# Altium PCB Fri3d_2024_Blaster_01.PcbDoc (continued)
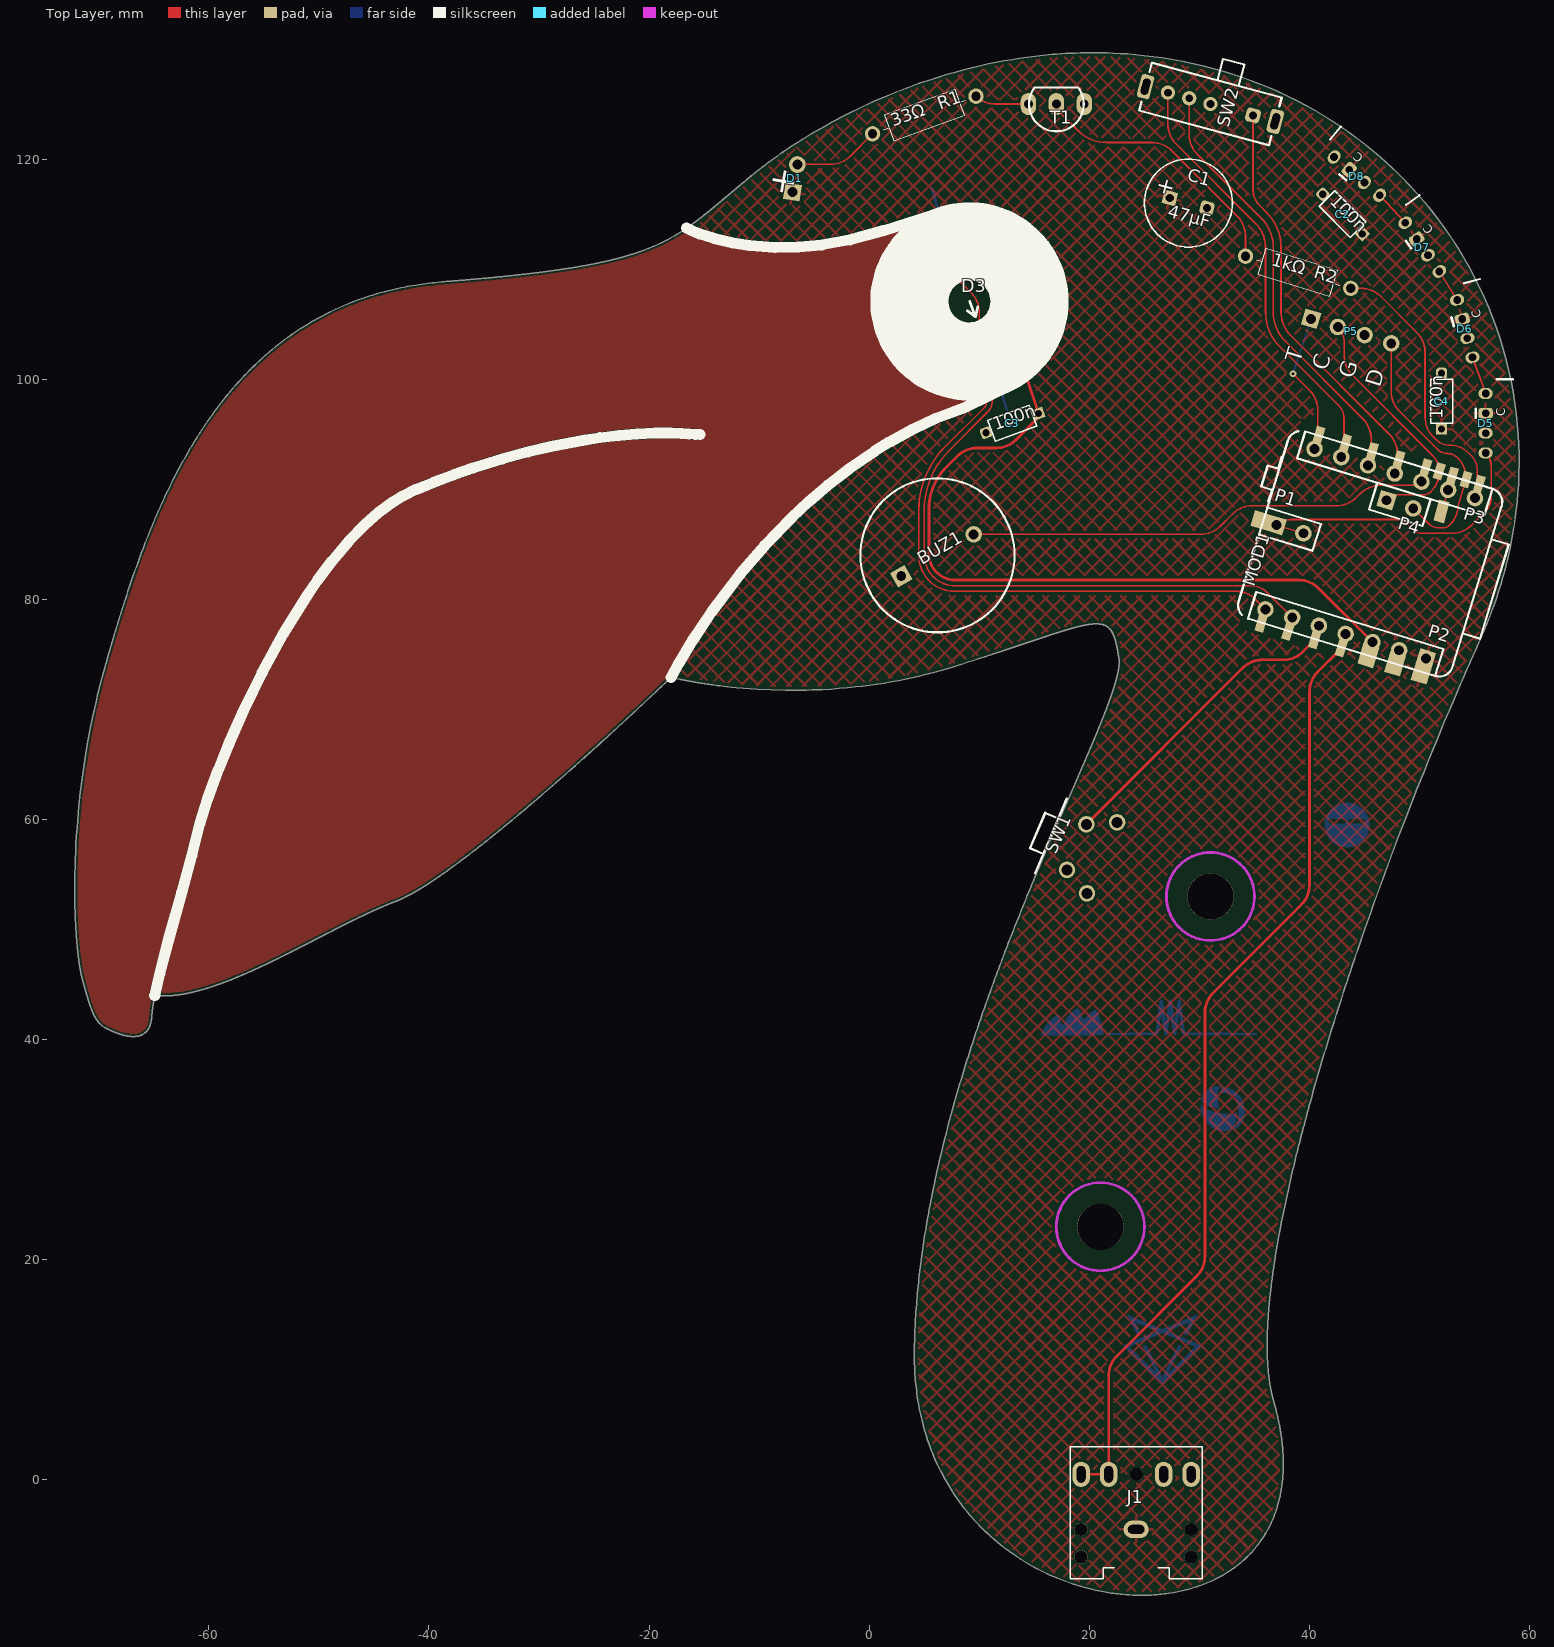
[diagram p0: Top Layer view]
## Via types (continued)

## Nets (pads, with @x,y where several pads share a name; then routed paths per layer and width w, separated by ;. In a path a pad name is that pad's centre, name@x,y a point inside that pad or via, vN(x,y) a via of type N, cw(c..) or ccw(c..) an arc to the next point about the centre after c; other vN are vias at no path point)
+3V3: C3.1 D3.3 D4.3 MOD1.9 P2.3 | length 81.2
  Top Layer w0.25: D4.3 D3.3 C3.1 cw(c14.602,96.869) 15.157,96.314 13.337,94.494 cw(c11.541,96.29) 11.541,93.75 9.802,93.75 ccw(c9.802,91.21) 8.006,93.006 6.983,91.983 ccw(c10.753,88.212) 5.421,88.212 5.421,84.142 ccw(c7.813,84.142) 7.813,81.75 39.026,81.75 cw(c39.026,79.21) 40.822,81.006 P2.3
BADGE_LINK: J1.3 J1.5 MOD1.8 P2.4 | length 85.8
  Top Layer w0.25: J1.3 J1.5 21.75,9.448 cw(c24.29,9.448) 22.494,11.244 29.756,18.506 ccw(c27.96,20.302) 30.5,20.302 30.5,42.448 cw(c33.04,42.448) 31.244,44.244 39.256,52.256 ccw(c37.46,54.052) 40,54.052 40,71.607 cw(c42.54,71.607) 40.744,73.403 MOD1.8
BLUE_TEAM: MOD1.18 P3.4 SW2.4 | length 36.2
  Top Layer w0.15: SW2.4 34.864,117.188 ccw(c36.8,117.188) 35.431,115.819 36.121,115.129 cw(c33,112.008) 37.414,112.008 37.414,106.112 ccw(c40.495,106.112) 38.317,103.933 47.251,94.999 cw(c45.455,93.203) 47.995,93.203 47.995,93.095 ccw(c48.499,93.095) MOD1.18
BUZZER: BUZ1.2 MOD1.16 P3.3 | length 42.2
  Top Layer w0.15: BUZ1.2 30.098,85.9 ccw(c30.098,88.44) 31.894,86.644 33.006,87.756 cw(c34.802,85.96) 34.802,88.5 42.448,88.5 ccw(c42.448,91.04) 44.244,89.244 44.606,89.606 cw(c46.402,87.81) 46.402,90.35 49.358,90.35 ccw(c49.358,91.5) P3.3
GND: BUZ1.1 C1.2 C2.2 C3.2 C4.2 D3.2 D4.2 D5.3 D6.3 D7.3 D8.3 J1.2 J1.4 MOD1.10 P2.2 P5.3 SW1.2 SW1.MH1 SW1.MH2 SW2.3 T1.1 | length 7.1
  Bottom Layer w0.25: 5.75,117.25 D4.2 ; D3.2 12.5,97.25
GREEN_TEAM: MOD1.20 P3.5 SW2.2 | length 38.4
  Top Layer w0.15: SW2.2 29.068,122.234 ccw(c31.608,122.234) 29.812,120.438 35.621,114.629 cw(c33,112.008) 36.707,112.008 36.707,106.112 ccw(c40.495,106.112) 37.817,103.433 44.85,96.4 cw(c43.054,94.604) 45.594,94.604 45.594,93.771 ccw(c46.003,93.771) MOD1.20
IR.IN1: D4.1 MOD1.4 P2.6 | length 69.7
  Top Layer w0.15: D4.1 9.256,107.844 cw(c7.46,106.048) 10,106.048 10,101.302 ccw(c12.54,101.302) 10.744,99.506 ; 10.707,99.543 cw(c9.555,98.392) 11.184,98.392 11.184,98.072 cw(c9.642,98.072) 10.732,96.982 7.244,93.494 ccw(c12.661,88.077) 5,88.077 5,84.038 ccw(c7.814,84.038) 7.814,81.224 34.676,81.224 cw(c34.676,79.126) 36.159,80.61 P2.6
IR.IN2: D3.1 MOD1.2 P2.7 | length 52.7
  Top Layer w0.15: D3.1 cw(c9.11,97.771) 10.419,99.081 ; 10.42,99.08 cw(c9.782,98.443) 10.684,98.443 10.684,98.072 cw(c9.642,98.072) 10.378,97.335 6.89,93.848 ccw(c12.661,88.077) 4.5,88.077 4.5,83.974 ccw(c7.75,83.974) 7.75,80.724 33.337,80.724 cw(c33.337,78.259) 35.08,80.002 P2.7
IR.OUT: MOD1.12 P3.1 R2.2 | length 24.2
  Top Layer w0.15: R2.2 44.698,108.25 cw(c44.698,105.71) 46.494,107.506 49.756,104.244 cw(c47.96,102.448) 50.5,102.448 50.5,96.552 ccw(c53.04,96.552) 51.244,94.756 51.47,94.53 ccw(c52.75,95.811) 52.75,94 cw(c52.75,91.586) 54.457,93.293 ; 54.457,93.293 54.72,93.03 cw(c53.439,91.75) 55.25,91.75 55.25,90.945 ccw(c55.864,90.945) MOD1.12
LED.DATA: D5.4 MOD1.26 P1.1 P1.2 | length 28.4
  Top Layer w0.15: P1.2 P1.1 cw(c38.241,85.513) 38.241,87.25 47.998,87.25 cw(c47.998,86.038) 48.855,86.895 49.5,86.25 ccw(c50.104,86.854) 50.104,86 52.948,86 ccw(c52.948,88.54) 54.744,86.744 56,88 ccw(c54.793,89.207) 56.5,89.207 56.5,92.093 ccw(c54.793,92.093) D5.4
NetD1_2: D1.2 R1.1 | length 7.9
  Top Layer w0.15: D1.2 -3.52,119.52 ccw(c-3.52,122.06) -1.724,120.264 R1.1
NetD5_1: D5.1 D6.4 | length 3.5
  Top Layer w0.15: D6.4 D5.1
NetD6_1: D6.1 D7.4 | length 3.1
  Top Layer w0.15: D7.4 D6.1
NetD7_1: D7.1 D8.4 | length 3.4
  Top Layer w0.15: D8.4 D7.1
NetR1_2: R1.2 T1.3 | length 5
  Top Layer w0.15: R1.2 ccw(c11.413,127.424) 11.413,125 T1.3
NetR2_1: R2.1 T1.2 | length 24.5
  Top Layer w0.15: T1.2 17,124.551 18.99,122.561 ccw(c21.552,125.123) 21.552,121.5 25.698,121.5 cw(c25.698,118.96) 27.494,120.756 33.443,114.807 cw(c31.647,113.011) 34.187,113.011 R2.1
PA2: MOD1.24 P3.7 P5.1 | length 11.6
  Top Layer w0.15: v1(38.5,100.5) 40.006,98.994 cw(c38.21,97.198) 40.75,97.198 40.75,95.222 ccw(c41.111,95.222) MOD1.24
  Bottom Layer w0.15: v1(38.5,100.5) P5.1
PA6: MOD1.6 P2.5 SW1.1 | length 27.4
  Top Layer w0.25: SW1.1 33.925,73.756 cw(c35.721,71.96) 35.721,74.5 37.617,74.5 ccw(c37.617,77.04) 39.413,75.244 MOD1.6
PB0: MOD1.14 P3.2 pad.2 | length 2
  Top Layer w0.15: pad.2 P3.2
PB6: MOD1.22 P3.6 SW2.1 | length 38
  Top Layer w0.15: SW2.1 27.136,123.166 ccw(c29.676,123.166) 27.88,121.37 35.121,114.129 cw(c33,112.008) 36,112.008 36,106.112 ccw(c40.495,106.112) 37.317,102.933 42.678,97.572 cw(c41.576,96.47) 43.134,96.47 43.134,94.587 ccw(c43.648,94.587) MOD1.22
SWC: MOD1.15 P4.1 P5.2 | length 22.9
  Top Layer w0.15: P5.2 cw(c41.144,103.315) 43.121,103.721 cw(c41.144,103.315) 43.162,103.315 43.162,102.14 ccw(c45.702,102.14) 43.906,100.344 51.193,93.057 cw(c49.762,91.625) MOD1.15 51.786,91.588 cw(c49.246,91.588) 51.042,89.792 cw(c50.337,90.498) 50.337,89.5 48.207,89.5 ccw(c48.207,87.793) P4.1
SWD: MOD1.13 P4.2 P5.4 | length 24
  Top Layer w0.15: P5.4 47.429,98.873 ccw(c49.969,98.873) 48.173,97.077 51.646,93.604 ccw(c52.5,94.457) 52.5,93.25 cw(c52.5,91.878) 53.47,92.848 53.471,92.847 cw(c51.675,91.051) 54.215,91.051 MOD1.13 54.142,90.639 53.471,88.414 cw(c51.195,88.414) 52.805,86.805 52.75,86.75 cw(c52.146,87.354) 52.146,86.5 51.75,86.5 cw(c51.75,87.862) 50.787,86.899 P4.2
VSYS: C1.1 C2.1 C4.1 D1.1 D5.2 D6.2 D7.2 D8.2 J1.1 MOD1.11 P2.1
pads on no net: D8.1 J1.0 SW2.0

## Polygon pours and split planes (outlines as drawn)
GND on Bottom Layer "NONET_L-01_P-001" (hatched 45Degree grid 1 track 0.2, remove dead copper, pour order 4): -25.75,142.25 -25.75,18.5 7.5,-14.75 38,-14.75 69.5,16.75 69.5,114.75 42,142.25 -23.75,142.25
no net on Bottom Layer "NONET_L-01_P-001" (solid, pour order 3): -16.638,113.702 -15.437,113.196 -13.618,112.635 -11.278,112.181 -8.745,111.968 -6.084,112.018 -4.497,112.175 -1.459,112.724 1.318,113.505 5.118,114.995 11.299,98.301 9.878,97.843 7.895,97.175 5.773,96.312 3.194,95.046 1.271,93.942 -0.316,92.922 -2.606,91.273 -4.248,89.953 -5.8,88.594 -7.838,86.636 -9.171,85.241 -10.62,83.613 -11.981,81.971 -13.463,80.049 -15.516,77.106 -16.385,75.743 -17.39,74.049 -17.987,72.899 -18,71 -41,48 -68,36 -73.259,43.889 -76.047,66.884 -62,102 -52,109 -22,114
VSYS on Top Layer "NONET_L-01_P-001" (hatched 45Degree grid 1 track 0.2, remove dead copper, pour order 5): -25.75,142.25 -25.75,18.5 7.5,-14.75 38,-14.75 69.5,16.75 69.5,114.75 42,142.25 -23.75,142.25
no net on Top Layer "NONET_L-01_P-001" (solid, pour order 2): -16.638,113.702 -15.437,113.196 -13.618,112.635 -11.278,112.181 -8.745,111.968 -6.084,112.018 -4.497,112.175 -1.459,112.724 1.318,113.505 5.118,114.995 11.299,98.301 9.878,97.843 7.895,97.175 5.773,96.312 3.194,95.046 1.271,93.942 -0.316,92.922 -2.606,91.273 -4.248,89.953 -5.8,88.594 -7.838,86.636 -9.171,85.241 -10.62,83.613 -11.981,81.971 -13.463,80.049 -15.516,77.106 -16.385,75.743 -17.39,74.049 -17.987,72.899 -18,71 -41,48 -68,36 -73.259,43.889 -76.047,66.884 -62,102 -52,109 -22,114

## Keep-outs
Top Layer:
  circle w0.254: c31,53 r4
  circle w0.254: c21,23 r4
  lines w0.5: -64.913,44 -64.457,46.012 -63.574,49.394 -62.475,53.355 -61.547,56.722 -60.818,59.619 -60.142,61.793 -59.131,64.533 -58.1,67.057 -56.796,69.984 -55.146,73.357 -53.184,76.952 -51.001,80.459 -50.168,81.666 -48.837,83.445 -47.251,85.322 -45.795,86.812 -44.59,87.871 -43.214,88.881 -42.353,89.404 -41.212,89.961 -39.574,90.626 -37.785,91.303 -35.944,91.947 -33.31,92.771 -31.005,93.399 -28.922,93.89 -25.811,94.482 -24.478,94.682 -22.713,94.892 -21.12,95.025 -19.457,95.101 -18.53,95.113 -18.013,95.109 -17.038,95.081 -16.379,95.044 -15.786,94.999 -15.39,94.961
Bottom Layer:
  circle w0.254: c21,23 r4
  circle w0.254: c31,53 r4
  lines w0.5: -64.913,44 -64.457,46.012 -63.574,49.394 -62.475,53.355 -61.547,56.722 -60.818,59.619 -60.142,61.793 -59.131,64.533 -58.1,67.057 -56.796,69.984 -55.146,73.357 -53.184,76.952 -51.001,80.459 -50.168,81.666 -48.837,83.445 -47.251,85.322 -45.795,86.812 -44.59,87.871 -43.214,88.881 -42.353,89.404 -41.212,89.961 -39.574,90.626 -37.785,91.303 -35.944,91.947 -33.31,92.771 -31.005,93.399 -28.922,93.89 -25.811,94.482 -24.478,94.682 -22.713,94.892 -21.12,95.025 -19.457,95.101 -18.53,95.113 -18.013,95.109 -17.038,95.081 -16.379,95.044 -15.786,94.999 -15.39,94.961

## Other copper
Top Layer:
  pour cut-out: 34.068,79.255 33.507,77.397 43.208,74.421 43.758,76.314
  pour cut-out: 38.8,94.6 39.336,96.437 50.526,92.998 50.171,91.1
  pour cut-out: 11.299,98.301 12.395,98.669 13.424,99.17 14.136,99.591 14.828,100.092 15.548,100.74 16.136,101.424 16.757,102.295 17.215,103.122 17.519,103.842 17.786,104.68 17.977,105.474 18.08,106.242 18.11,107.09 18.087,108.075 17.927,108.943 17.72,109.751 17.503,110.352 17.252,110.96 16.855,111.674 16.461,112.296 16.107,112.756 15.616,113.29 15.059,113.851 14.541,114.265 13.87,114.719 13.249,115.09 12.531,115.401 11.736,115.684 10.882,115.895 10.124,116.028 9.276,116.065 8.568,116.052 7.923,116.005 7.152,115.868 6.294,115.631 5.473,115.33 4.541,114.85 4.356,114.511
  pour cut-out: 5.118,114.995 3.594,114.027 2.452,112.965 1.569,111.77 0.819,110.284 0.318,108.672 0.163,106.759 0.469,104.933 0.749,103.96 1.294,102.706 1.945,101.766 2.613,100.958 3.545,100.125 4.559,99.408 5.631,98.872 6.506,98.492 7.825,98.204 8.724,98.129 10.068,98.154 11.299,98.301 12.022,98.707 13,102 10.383,112.324 6.196,115.057
Bottom Layer:
  pour cut-out: 11.299,98.301 12.395,98.669 13.424,99.17 14.136,99.591 14.828,100.092 15.548,100.74 16.136,101.424 16.757,102.295 17.215,103.122 17.519,103.842 17.786,104.68 17.977,105.474 18.08,106.242 18.11,107.09 18.087,108.075 17.927,108.943 17.72,109.751 17.503,110.352 17.252,110.96 16.855,111.674 16.461,112.296 16.107,112.756 15.616,113.29 15.059,113.851 14.541,114.265 13.87,114.719 13.249,115.09 12.531,115.401 11.736,115.684 10.882,115.895 10.124,116.028 9.276,116.065 8.568,116.052 7.923,116.005 7.152,115.868 6.294,115.631 5.473,115.33 4.541,114.85 4.356,114.511
  pour cut-out: 5.118,114.995 3.594,114.027 2.452,112.965 1.569,111.77 0.819,110.284 0.318,108.672 0.163,106.759 0.469,104.933 0.749,103.96 1.294,102.706 1.945,101.766 2.613,100.958 3.545,100.125 4.559,99.408 5.631,98.872 6.506,98.492 7.825,98.204 8.724,98.129 10.068,98.154 11.299,98.301 12.022,98.707 13,102 10.383,112.324 6.196,115.057
  region: 29.806,14.966 28.888,13.118 28.585,13.245 28.571,13.284 29.091,14.323 27.091,13.5 30.152,12.24 30.16,12.199 26.622,8.661 23.084,12.199 23.092,12.24 26.153,13.5 24.153,14.323 24.662,13.284 24.647,13.245 24.344,13.118 23.426,14.966 23.454,14.996 26.616,13.692 29.778,14.996 hole: 26.622,13.303 23.69,12.098 26.037,9.757 24.839,12.152 24.853,12.191 25.156,12.318 26.622,9.38 28.088,12.318 28.391,12.191 28.405,12.152 27.207,9.751 29.554,12.098
  region: 395 vertices and 2 holes, not listed, extent 41.406,57.466 45.436,61.497
  region: 21.674,40.414 21.674,40.579 22.569,40.591 22.569,40.592 23.002,40.596 23.578,40.6 24.19,40.603 24.747,40.604 25.291,40.605 25.692,40.609 26.022,40.614 26.031,40.622 26.037,40.725 26.224,42.103 26.414,43.503 26.428,43.554 26.452,43.585 26.49,43.606 26.539,43.614 26.59,43.608 26.61,43.6 26.629,43.587 26.646,43.571 26.657,43.554 26.666,43.52 26.709,43.238 26.755,42.914 26.808,42.538 26.859,42.164 26.903,41.848 26.943,41.564 26.945,41.559 26.947,41.558 26.948,41.559 26.988,41.847 27.033,42.167 27.085,42.548 27.185,43.27 27.227,43.487 27.274,43.581 27.347,43.616 27.421,43.581 27.468,43.486 27.51,43.268 27.612,42.542 27.666,42.159 27.711,41.839 27.751,41.554 27.752,41.554 27.785,41.781 27.896,42.598 28.018,43.497 28.02,43.519 28.031,43.55 28.065,43.583 28.109,43.608 28.152,43.616 28.177,43.613 28.203,43.605 28.228,43.593 28.247,43.578 28.261,43.562 28.274,43.545 28.282,43.529 28.285,43.518 28.286,43.499 28.34,43.082 28.402,42.617 28.474,42.068 28.547,41.52 28.608,41.056 28.663,40.638 28.664,40.623 28.673,40.614 29.255,40.609 29.979,40.605 31.019,40.604 31.988,40.603 32.95,40.601 33.787,40.596 34.287,40.592 34.287,40.591 35.199,40.579 35.199,40.414 28.488,40.424 28.454,40.471 28.454,40.472 28.433,40.522 28.401,40.71 28.358,40.991 28.293,41.466 28.243,41.83 28.2,42.139 28.16,42.414 28.154,42.427 28.15,42.428 28.148,42.425 28.107,42.152 28.062,41.843 28.01,41.473 27.915,40.785 27.872,40.555 27.827,40.451 27.761,40.415 27.718,40.42 27.68,40.434 27.65,40.457 27.632,40.485 27.621,40.528 27.491,41.453 27.366,42.346 27.355,42.461 27.351,42.464 27.347,42.461 27.327,42.347 27.292,42.1 27.214,41.532 27.166,41.176 27.123,40.865 27.086,40.597 27.079,40.549 27.061,40.494 27.031,40.451 26.99,40.424 26.941,40.415 26.871,40.45 26.824,40.55 26.781,40.773 26.684,41.472 26.633,41.843 26.588,42.152 26.547,42.425 26.544,42.428 26.54,42.427 26.535,42.414 26.495,42.139 26.451,41.83 26.401,41.466 26.336,40.988 26.294,40.708 26.262,40.522 26.24,40.472 26.24,40.471 26.206,40.424
  region: 15.59,40.414 15.603,40.457 15.633,40.531 15.726,40.719 15.823,40.907 15.892,41.03 16.04,41.257 16.212,41.483 16.391,41.689 16.561,41.855 16.716,41.982 16.892,42.108 17.058,42.214 17.124,42.233 17.157,42.212 17.292,41.902 17.42,41.593 17.515,41.326 17.549,41.224 17.656,41.43 17.656,41.431 17.86,41.779 18.094,42.098 18.354,42.382 18.636,42.628 18.722,42.688 18.84,42.761 18.96,42.83 18.994,42.839 19.006,42.833 19.037,42.78 19.073,42.714 19.112,42.636 19.192,42.465 19.249,42.33 19.305,42.182 19.38,41.963 19.469,41.701 19.577,41.853 19.69,41.998 19.832,42.157 19.981,42.309 20.119,42.431 20.23,42.515 20.382,42.616 20.537,42.714 20.578,42.726 20.586,42.721 20.611,42.682 20.639,42.633 20.669,42.576 20.813,42.26 20.945,41.909 21.06,41.54 21.152,41.167 21.191,40.974 21.233,40.743 21.27,40.522 21.276,40.451 21.251,40.426 20.901,40.42 20.29,40.415 18.433,40.414
  region: 33.977,34.183 33.959,34.183 33.959,34.165 33.994,34.165 33.994,34.183 33.994,34.2 33.977,34.2
  region: 570 vertices and 0 holes, not listed, extent 33.017,31.808 34.11,34.676
  region: 380 vertices and 0 holes, not listed, extent 31.914,34.218 33.977,35.676
  region: 638 vertices and 0 holes, not listed, extent 30.129,31.692 33.414,34.077
  region: 460 vertices and 0 holes, not listed, extent 30.204,33.732 32.007,35.734

## Silkscreen, mask and mechanical layers (free items; w line width, h text height)
Top Overlay:
  circle w7: c9.103,107.069 r5.5
  lines w0.25: 8.921,106.212 9.647,105.679 ; 9.134,107.088 9.647,105.679 ; 9.861,106.554 9.647,105.679
  lines w1: -64.914,43.997 -64.458,46.009 -63.576,49.391 -62.476,53.352 -61.548,56.72 -60.819,59.616 -60.143,61.79 -59.132,64.53 -58.101,67.054 -56.797,69.981 -55.147,73.354 -53.185,76.949 -51.002,80.456 -50.169,81.663 -48.838,83.442 -47.253,85.319 -45.796,86.809 -44.591,87.868 -43.215,88.878 -42.354,89.401 -41.213,89.958 -39.575,90.623 -37.786,91.3 -35.945,91.944 -33.311,92.768 -31.006,93.396 -28.923,93.887 -25.812,94.479 -24.479,94.679 -22.714,94.889 -21.122,95.022 -19.458,95.098 -18.531,95.11 -18.014,95.106 -17.039,95.078 -16.38,95.041 -15.787,94.996 -15.392,94.958 ; -17.999,72.916 -17.311,74.179 -16.036,76.294 -14.33,78.845 -11.702,82.317 -9.509,84.87 -7.036,87.431 -5.485,88.881 -3.752,90.365 -1.848,91.846 0.539,93.489 1.852,94.294 4,95.474 6.02,96.426 8.886,97.509 12.795,99.442 ; -16.61,113.719 -16.169,113.508 -15.425,113.208 -14.107,112.782 -12.358,112.372 -10.868,112.142 -8.565,111.975 -6.421,112.008 -4.313,112.209 -1.77,112.662 1.318,113.505 6.74,115.233
  text "33Ω" at 2.305,122.526 h2 r20
  text "+" at -9.42,116.433 h4 r350
  text "100n" at 41.486,115.798 h2 r315
  text "47µF" at 26.92,114.361 h2 r345
  text "1kΩ" at 36.354,109.999 h2 r343
  text "T" at 39.616,101.287 h2.5 r73
  text "C" at 42.045,100.544 h2.5 r73
  text "G" at 44.474,99.802 h2.5 r73
  text "D" at 46.903,99.059 h2.5 r73
  text "100n" at 52.507,96.365 h2 r90
  text "100n" at 11.637,94.965 h2 r20
Bottom Overlay:
  drawing of 94 lines, arcs and shapes, not listed
  text ".PCB_TITLE / Rev. .PCB_Rev" at 44.249,68.737 h2.5 r359.98
  text "Wim" at 30.75,64.75 h2 r351
  text "automaton.be" at 40.5,59 h2.55
Top Solder:
  region: 4.608,114.767 3.885,114.252 3.303,113.803 2.624,113.151 2.28,112.78 1.853,112.233 1.285,111.308 0.955,110.663 0.682,109.906 0.318,108.672 0.184,107.761 0.163,106.759 0.24,105.546 0.441,104.752 0.649,104.074 0.88,103.387 1.328,102.624 1.721,101.953 2.106,101.398 2.7,100.758 3.163,100.273 3.934,99.694 4.627,99.224 5.437,98.785 6.779,98.299 7.742,98.083 8.999,97.967 9.87,98.052 10.725,98.088 9.154,97.615 6.243,96.517 4.484,95.679 2.415,94.615 0.001,93.134 -2.011,91.723 -4.087,90.087 -5.648,88.731 -7.682,86.793 -9.695,84.667 -11.981,81.971 -14.604,78.455 -16.704,75.221 -17.486,73.879 -17.979,72.966 -18,71 -41,50 -68,36 -72,46 -73,74 -62,102 -42,112 -21,115 -16.411,113.601 -15.542,113.235 -14.48,112.875 -13.277,112.552 -11.971,112.288 -10.608,112.099 -9.565,112.007 -7.887,111.954 -6.806,111.978 -5.73,112.045 -4.668,112.153 -3.451,112.327 -1.952,112.612 -1.306,112.76 -0.209,113.043 0.736,113.32 1.611,113.603 2.353,113.863 3.258,114.205
Bottom Solder:
  region: 4.608,114.767 3.885,114.252 3.303,113.803 2.624,113.151 2.28,112.78 1.853,112.233 1.285,111.308 0.955,110.663 0.682,109.906 0.318,108.672 0.184,107.761 0.163,106.759 0.24,105.546 0.441,104.752 0.649,104.074 0.88,103.387 1.328,102.624 1.721,101.953 2.106,101.398 2.7,100.758 3.163,100.273 3.934,99.694 4.627,99.224 5.437,98.785 6.779,98.299 7.742,98.083 8.999,97.967 9.87,98.052 10.725,98.088 9.154,97.615 6.243,96.517 4.484,95.679 2.415,94.615 0.001,93.134 -2.011,91.723 -4.087,90.087 -5.648,88.731 -7.682,86.793 -9.695,84.667 -11.981,81.971 -14.604,78.455 -16.704,75.221 -17.486,73.879 -17.979,72.966 -18,71 -41,50 -68,36 -72,46 -73,74 -62,102 -42,112 -21,115 -16.411,113.601 -15.542,113.235 -14.48,112.875 -13.277,112.552 -11.971,112.288 -10.608,112.099 -9.565,112.007 -7.887,111.954 -6.806,111.978 -5.73,112.045 -4.668,112.153 -3.451,112.327 -1.952,112.612 -1.306,112.76 -0.209,113.043 0.736,113.32 1.611,113.603 2.353,113.863 3.258,114.205
Board Outline:
  drawing of 4744 lines, arcs and shapes, not listed
Comments:
  drawing of 6420 lines, arcs and shapes, not listed
Fabrication:
  text "White Solder Mask" at -111,-7.5 h1.5
  text "Black Silkscreen" at -111,-10.5 h1.5
  text "1.6mm Thickness" at -111,-16.5 h1.5
Frame:
  drawing of 15 lines, arcs and shapes, not listed
  text "Document" at 180.402,-24.311 h2
  text ".PCB_TITLE" at 181.902,-29.811 h3.2
  text "Layer Name" at 180.402,-34.311 h2
  text "Date" at 180.402,-44.311 h2
  text "Rev" at 220.402,-44.311 h2
  text ".Print_Date" at 183.402,-49.811 h3.5
  text ".PCB_REV" at 224.902,-49.811 h4
  text "Desginer" at 130.402,-54.311 h2
  text "Document" at 180.402,-54.311 h2
  text ".Pcb_File_Name_No_Path" at 181.902,-59.311 h1.5
  text ".PCB_ENGINEER" at 134.902,-59.811 h4
Drill Drawing:
  circle w0.15: c82.744,46.044 r0.444
  circle w0.15: c82.744,32.044 r0.267
  circle w0.15: c82.744,32.044 r0.444
  lines w0.15: 81.497,27 219.312,27 ; 81.497,51 219.312,51 ; 88.895,25 88.895,53 ; 96.127,25 96.127,53 ; 111.489,25 111.489,53 ; 118.287,25 118.287,53 ; 128.124,25 128.124,53 ; 148.152,25 148.152,53 ; 156.07,25 156.07,53 ; 170.632,25 170.632,53 ; 185.994,25 185.994,53 ; 200.557,25 200.557,53 ; 81.497,25 219.312,25 219.312,53 81.497,53 81.497,25 ; 82.299,27.6 83.188,27.6 83.188,28.489 82.299,28.489 82.299,27.6 ; 82.299,29.6 83.188,29.6 83.188,30.489 82.299,30.489 82.299,29.6 ; 82.299,34.489 83.188,34.489 82.744,33.6 82.299,34.489 ; 82.299,35.822 82.521,35.822 82.744,35.6 82.966,35.822 83.188,35.822 82.966,36.044 83.188,36.267 82.966,36.267 82.744,36.489 82.521,36.267 82.299,36.267 82.521,36.044 82.299,35.822 ; 82.299,37.822 82.521,37.822 82.521,37.6 82.966,37.6 82.966,37.822 83.188,37.822 83.188,38.267 82.966,38.267 82.966,38.489 82.521,38.489 82.521,38.267 82.299,38.267 82.299,37.822 ; 82.299,39.6 82.299,39.822 82.521,40.044 82.299,40.267 82.299,40.489 82.521,40.489 82.744,40.267 82.966,40.489 83.188,40.489 83.188,40.267 82.966,40.044 83.188,39.822 83.188,39.6 82.966,39.6 82.744,39.822 82.521,39.6 82.299,39.6 ; 82.299,42.044 82.744,41.6 83.188,42.044 82.744,42.489 82.299,42.044 ; 82.299,44.489 83.188,44.489 82.744,43.6 82.299,44.489 ; 82.299,47.6 82.744,47.822 83.188,47.6 82.966,48.044 83.188,48.489 82.744,48.267 82.299,48.489 82.521,48.044 82.299,47.6 ; 82.299,49.822 82.521,49.822 82.744,49.6 82.966,49.822 83.188,49.822 82.966,50.044 83.188,50.267 82.966,50.267 82.744,50.489 82.521,50.267 82.299,50.267 82.521,50.044 82.299,49.822 ; 82.477,29.778 83.01,29.778 83.01,30.311 82.477,30.311 82.477,29.778 ; 82.477,44.311 83.01,44.311 82.744,43.778 82.477,44.311 ; 82.477,49.911 82.61,49.911 82.744,49.778 82.877,49.911 83.01,49.911 82.877,50.044 83.01,50.178 82.877,50.178 82.744,50.311 82.61,50.178 82.477,50.178 82.61,50.044 82.477,49.911
  text "Symbol" at 82.697,51.6 h0.96
  text "Count" at 89.495,51.6 h0.96
  text "Hole Size" at 96.727,51.6 h0.96
  text "Plated" at 112.089,51.6 h0.96
  text "Hole Type" at 118.887,51.6 h0.96
  text "Drill Layer Pair" at 128.724,51.6 h0.96
  text "Via/Pad" at 148.752,51.6 h0.96
  text "Pad Shape" at 156.67,51.6 h0.96
  text "Template" at 171.232,51.6 h0.96
  text "Hole Length" at 186.594,51.6 h0.96
  text "Routed Path Length" at 201.157,51.6 h0.96
  text "1" at 89.495,49.6 h0.8
  text "0.250mm (9.84mil)" at 96.727,49.6 h0.8
  text "PTH" at 112.089,49.6 h0.8
  text "Round" at 118.887,49.6 h0.8
  text "Top Layer - Bottom Layer" at 128.724,49.6 h0.8
  text "Via" at 148.752,49.6 h0.8
  text "Rounded" at 156.67,49.6 h0.8
  text "v60h25m0mx0" at 171.232,49.6 h0.8
  text "-" at 186.594,49.6 h0.8
  text "-" at 201.157,49.6 h0.8
  text "2" at 89.495,47.6 h0.8
  text "0.700mm (27.56mil)" at 96.727,47.6 h0.8
  text "PTH" at 112.089,47.6 h0.8
  text "Slot" at 118.887,47.6 h0.8
  text "Top Layer - Bottom Layer" at 128.724,47.6 h0.8
  text "Pad" at 148.752,47.6 h0.8
  text "Rounded Rectangle" at 156.67,47.6 h0.8
  text "r220_120h70_150r30" at 171.232,47.6 h0.8
  text "1.500mm (59.06mil)" at 186.594,47.6 h0.8
  text "0.800mm (31.50mil)" at 201.157,47.6 h0.8
  text "2" at 89.495,45.6 h0.8
  text "0.750mm (29.53mil)" at 96.727,45.6 h0.8
  text "PTH" at 112.089,45.6 h0.8
  text "Round" at 118.887,45.6 h0.8
  text "Top Layer - Bottom Layer" at 128.724,45.6 h0.8
  text "Pad" at 148.752,45.6 h0.8
  text "(Mixed)" at 156.67,45.6 h0.8
  text "(Mixed)" at 171.232,45.6 h0.8
  text "-" at 186.594,45.6 h0.8
  text "-" at 201.157,45.6 h0.8
  text "2" at 89.495,43.6 h0.8
  text "4.200mm (165.35mil)" at 96.727,43.6 h0.8
  text "NPTH" at 112.089,43.6 h0.8
  text "Round" at 118.887,43.6 h0.8
  text "Top Layer - Bottom Layer" at 128.724,43.6 h0.8
  text "Pad" at 148.752,43.6 h0.8
  text "Rounded" at 156.67,43.6 h0.8
  text "c420hn420" at 171.232,43.6 h0.8
  text "-" at 186.594,43.6 h0.8
  text "-" at 201.157,43.6 h0.8
  text "3" at 89.495,41.6 h0.8
  text "0.800mm (31.50mil)" at 96.727,41.6 h0.8
  text "PTH" at 112.089,41.6 h0.8
  text "Round" at 118.887,41.6 h0.8
  text "Top Layer - Bottom Layer" at 128.724,41.6 h0.8
  text "Pad" at 148.752,41.6 h0.8
  text "Rounded" at 156.67,41.6 h0.8
  text "r200_140h80r70" at 171.232,41.6 h0.8
  text "-" at 186.594,41.6 h0.8
  text "-" at 201.157,41.6 h0.8
  text "4" at 89.495,39.6 h0.8
  text "0.850mm (33.47mil)" at 96.727,39.6 h0.8
  text "PTH" at 112.089,39.6 h0.8
  text "Round" at 118.887,39.6 h0.8
  text "Top Layer - Bottom Layer" at 128.724,39.6 h0.8
  text "Pad" at 148.752,39.6 h0.8
  text "Rounded" at 156.67,39.6 h0.8
  text "c140h85" at 171.232,39.6 h0.8
  text "-" at 186.594,39.6 h0.8
  text "-" at 201.157,39.6 h0.8
  text "4" at 89.495,37.6 h0.8
  text "1.000mm (39.37mil)" at 96.727,37.6 h0.8
  text "PTH" at 112.089,37.6 h0.8
  text "Round" at 118.887,37.6 h0.8
  text "Top Layer - Bottom Layer" at 128.724,37.6 h0.8
  text "Pad" at 148.752,37.6 h0.8
  text "Rounded" at 156.67,37.6 h0.8
  text "c150h100" at 171.232,37.6 h0.8
  text "-" at 186.594,37.6 h0.8
  text "-" at 201.157,37.6 h0.8
  text "5" at 89.495,35.6 h0.8
  text "0.800mm (31.50mil)" at 96.727,35.6 h0.8
  text "PTH" at 112.089,35.6 h0.8
  text "Slot" at 118.887,35.6 h0.8
  text "Top Layer - Bottom Layer" at 128.724,35.6 h0.8
  text "Pad" at 148.752,35.6 h0.8
  text "Rounded" at 156.67,35.6 h0.8
  text "r230_160h80_150r80" at 171.232,35.6 h0.8
  text "1.500mm (59.06mil)" at 186.594,35.6 h0.8
  text "0.700mm (27.56mil)" at 201.157,35.6 h0.8
  text "5" at 89.495,33.6 h0.8
  text "1.200mm (47.24mil)" at 96.727,33.6 h0.8
  text "NPTH" at 112.089,33.6 h0.8
  text "Round" at 118.887,33.6 h0.8
  text "Top Layer - Bottom Layer" at 128.724,33.6 h0.8
  text "Pad" at 148.752,33.6 h0.8
  text "Rounded" at 156.67,33.6 h0.8
  text "c120hn120" at 171.232,33.6 h0.8
  text "-" at 186.594,33.6 h0.8
  text "-" at 201.157,33.6 h0.8
  text "6" at 89.495,31.6 h0.8
  text "0.650mm (25.59mil)" at 96.727,31.6 h0.8
  text "PTH" at 112.089,31.6 h0.8
  text "Round" at 118.887,31.6 h0.8
  text "Top Layer - Bottom Layer" at 128.724,31.6 h0.8
  text "Pad" at 148.752,31.6 h0.8
  text "(Mixed)" at 156.67,31.6 h0.8
  text "(Mixed)" at 171.232,31.6 h0.8
  text "-" at 186.594,31.6 h0.8
  text "-" at 201.157,31.6 h0.8
  text "20" at 89.495,29.6 h0.8
  text "0.700mm (27.56mil)" at 96.727,29.6 h0.8
  text "PTH" at 112.089,29.6 h0.8
  text "Round" at 118.887,29.6 h0.8
  text "Top Layer - Bottom Layer" at 128.724,29.6 h0.8
  text "Pad" at 148.752,29.6 h0.8
  text "(Mixed)" at 156.67,29.6 h0.8
  text "(Mixed)" at 171.232,29.6 h0.8
  text "-" at 186.594,29.6 h0.8
  text "-" at 201.157,29.6 h0.8
  text "32" at 89.495,27.6 h0.8
  text "0.900mm (35.43mil)" at 96.727,27.6 h0.8
  text "PTH" at 112.089,27.6 h0.8
  text "Round" at 118.887,27.6 h0.8
  text "Top Layer - Bottom Layer" at 128.724,27.6 h0.8
  text "Pad" at 148.752,27.6 h0.8
  text "(Mixed)" at 156.67,27.6 h0.8
  text "(Mixed)" at 171.232,27.6 h0.8
  text "-" at 186.594,27.6 h0.8
  text "-" at 201.157,27.6 h0.8
  text "86 Total" at 89.495,25.6 h0.8
  text "Slot definitions :" at 82.697,23.634 h0.8
  text "Routed Path Length" at 96.513,23.634 h0.8
  text "= Calculated from tool start centre position to tool end centre position." at 111.261,23.634 h0.8
  text "Hole Length" at 96.513,22.267 h0.8
  text "= Routed Path Length + Tool Size = Slot length as defined in the PCB layout" at 105.797,22.267 h0.8

## Dimensions
20.082,129.659 to 24.29,-10.482 on Fabrication
-72.138,51.23 to 56.5,93.25 on Fabrication

## Text inside footprints (layer, text, board x,y; h text height)
C1: Top Assembly "+" at 25.906,119.521 h1.5 r345; Top Overlay "+" at 25.952,117.053 h1.5 r345
D5: Top Overlay "C" at 57.775,96.625 h0.8 r90
D6: Top Overlay "C" at 55.663,105.653 h0.8 r105
D7: Top Overlay "C" at 51.346,113.53 h0.8 r125
D8: Top Overlay "C" at 44.963,120.211 h0.8 r140
J1: Comments "PCB EDGE" at 27.25,-6.5 h0.8 r180